# KiCad board kim-1.kicad_pcb (continued)
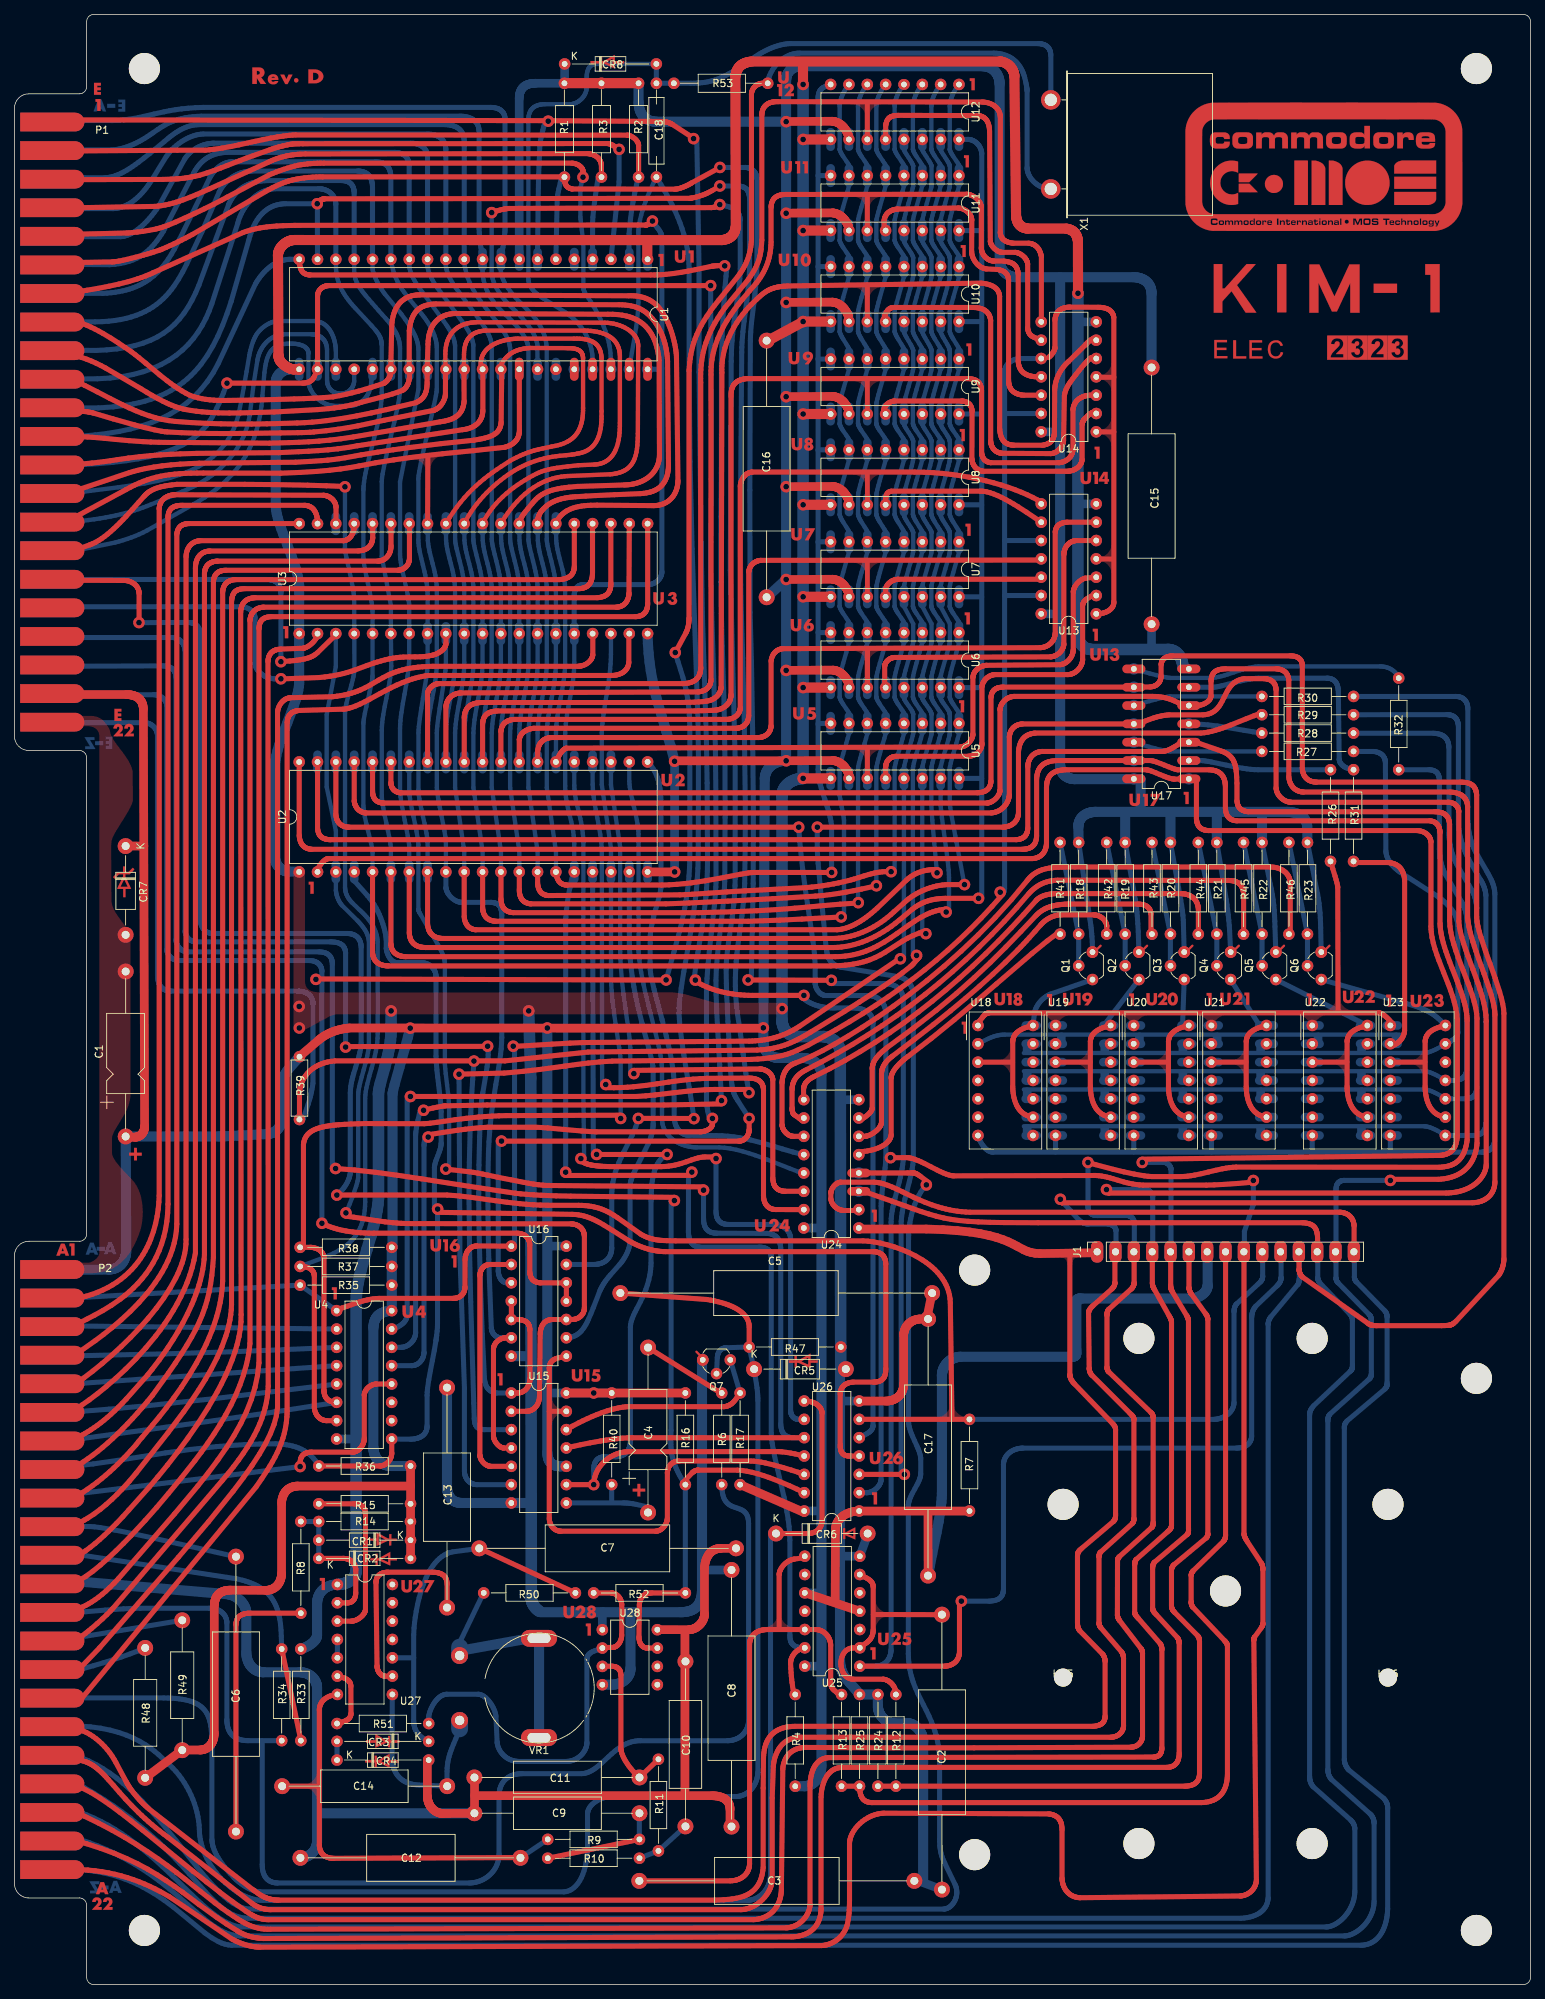
[diagram p0: board, top side]
## Copper pours and planes (outline as drawn; the poured copper is in the pictures) (continued)
Net-(U13-Pad1) on Top: 152.12,217.08 152.13,217.07 152.17,217.03 152.18,217.02 152.19,216.96 152.19,213.36 151.93,213.35 151.92,213.41 151.91,213.47 151.9,213.53 151.89,213.59 151.87,213.66 151.85,213.72 151.82,213.78 151.79,213.84 151.76,213.9 151.73,213.96 151.69,214.02 151.65,214.08 151.56,214.2 151.47,214.31 151.38,214.41 151.27,214.5 151.17,214.58 151.06,214.66 151.01,214.69 150.96,214.71 150.91,214.74 150.86,214.76 150.81,214.78 150.77,214.79 150.72,214.8 150.67,214.81 150.56,215.38 150.73,215.52 150.77,215.52 150.82,215.53 150.86,215.55 150.91,215.57 150.96,215.59 151.01,215.62 151.06,215.65 151.16,215.72 151.27,215.8 151.37,215.9 151.46,216 151.56,216.11 151.64,216.23 151.72,216.35 151.78,216.48 151.84,216.6 151.88,216.73 151.9,216.79 151.91,216.85 151.92,216.91 151.93,216.97 151.94,217.01 151.97,217.06 151.99,217.07 152.04,217.09 152.06,217.09
Net-(U13-Pad1) on Top: 152.12,224.65 152.13,224.65 152.17,224.6 152.18,224.59 152.19,224.53 152.19,220.93 151.93,220.92 151.92,220.98 151.91,221.04 151.9,221.1 151.89,221.17 151.87,221.23 151.85,221.29 151.82,221.35 151.79,221.41 151.76,221.48 151.73,221.54 151.69,221.6 151.65,221.65 151.57,221.77 151.47,221.88 151.38,221.98 151.27,222.07 151.17,222.16 151.06,222.23 151.01,222.26 150.96,222.29 150.91,222.31 150.86,222.33 150.81,222.35 150.77,222.36 150.72,222.37 150.67,222.38 150.56,222.95 150.73,223.09 150.77,223.1 150.82,223.11 150.86,223.12 150.91,223.14 150.96,223.16 151.01,223.19 151.06,223.22 151.16,223.29 151.27,223.38 151.37,223.47 151.46,223.57 151.56,223.69 151.64,223.8 151.72,223.93 151.78,224.05 151.84,224.18 151.88,224.3 151.9,224.36 151.91,224.42 151.92,224.48 151.93,224.55 151.94,224.58 151.98,224.63 151.99,224.64 152.04,224.66 152.06,224.66
Net-(U13-Pad1) on Top: 152.12,199.46 152.13,199.46 152.17,199.41 152.18,199.4 152.19,199.34 152.19,195.74 151.93,195.73 151.92,195.79 151.91,195.85 151.9,195.91 151.89,195.98 151.87,196.04 151.85,196.1 151.82,196.16 151.79,196.22 151.76,196.28 151.73,196.35 151.69,196.41 151.65,196.46 151.57,196.58 151.47,196.69 151.38,196.79 151.27,196.88 151.17,196.97 151.06,197.04 151.01,197.07 150.96,197.1 150.91,197.12 150.86,197.14 150.81,197.16 150.77,197.17 150.72,197.18 150.67,197.19 150.64,197.2 150.56,197.32 150.56,197.76 150.73,197.9 150.77,197.9 150.82,197.92 150.86,197.93 150.91,197.95 150.96,197.97 151.01,198 151.06,198.03 151.16,198.1 151.27,198.18 151.37,198.28 151.47,198.38 151.56,198.49 151.64,198.61 151.72,198.74 151.78,198.86 151.84,198.99 151.88,199.11 151.9,199.17 151.91,199.23 151.92,199.29 151.93,199.36 151.94,199.39 151.98,199.44 151.99,199.45 152.04,199.47 152.06,199.47
Net-(U13-Pad1) on Bottom: 137.4,194.4 137.42,194.4 137.46,194.36 137.47,194.35 137.49,194.29 137.5,194.23 137.51,194.17 137.52,194.11 137.54,194.05 137.58,193.92 137.64,193.8 137.71,193.67 137.78,193.55 137.87,193.43 137.96,193.32 138.06,193.21 138.16,193.12 138.26,193.04 138.36,192.96 138.41,192.94 138.46,192.91 138.51,192.89 138.56,192.87 138.61,192.85 138.65,192.84 138.7,192.83 138.74,192.83 138.87,192.7 138.86,192.25 138.82,192.15 138.75,192.12 138.7,192.12 138.66,192.11 138.61,192.09 138.56,192.08 138.51,192.06 138.46,192.03 138.41,192 138.36,191.97 138.25,191.9 138.15,191.82 138.05,191.73 137.95,191.62 137.86,191.52 137.77,191.4 137.73,191.34 137.7,191.28 137.66,191.22 137.63,191.16 137.6,191.1 137.58,191.03 137.56,190.97 137.54,190.91 137.52,190.85 137.51,190.79 137.5,190.73 137.5,190.67 137.23,190.68 137.23,194.28 137.23,194.31 137.27,194.37 137.28,194.38 137.33,194.41 137.34,194.41
Net-(U13-Pad1) on Bottom: 137.4,219.61 137.41,219.61 137.46,219.57 137.47,219.56 137.49,219.5 137.5,219.44 137.51,219.38 137.52,219.32 137.54,219.26 137.58,219.13 137.64,219.01 137.7,218.88 137.78,218.76 137.86,218.64 137.96,218.53 138.05,218.43 138.15,218.33 138.26,218.25 138.36,218.18 138.41,218.15 138.46,218.12 138.51,218.1 138.56,218.08 138.6,218.06 138.65,218.05 138.69,218.04 138.74,218.04 138.86,217.91 138.86,217.46 138.82,217.36 138.75,217.33 138.7,217.33 138.65,217.32 138.61,217.3 138.56,217.29 138.51,217.27 138.46,217.24 138.41,217.21 138.36,217.18 138.25,217.11 138.15,217.03 138.04,216.94 137.95,216.83 137.85,216.73 137.77,216.61 137.73,216.55 137.69,216.49 137.66,216.43 137.63,216.37 137.6,216.31 137.57,216.24 137.55,216.18 137.53,216.12 137.52,216.06 137.51,216 137.5,215.94 137.49,215.88 137.23,215.89 137.23,219.49 137.23,219.52 137.26,219.58 137.27,219.59 137.33,219.62 137.34,219.62
Net-(U13-Pad1) on Bottom: 137.4,202.01 137.41,202.01 137.46,201.97 137.47,201.96 137.49,201.9 137.5,201.84 137.51,201.78 137.52,201.72 137.54,201.66 137.58,201.53 137.64,201.41 137.7,201.28 137.78,201.16 137.86,201.04 137.96,200.93 138.05,200.83 138.15,200.73 138.26,200.65 138.36,200.58 138.41,200.55 138.46,200.52 138.51,200.5 138.56,200.48 138.6,200.46 138.65,200.45 138.69,200.45 138.74,200.44 138.86,200.31 138.86,199.87 138.82,199.77 138.75,199.74 138.7,199.73 138.65,199.72 138.61,199.71 138.56,199.69 138.51,199.67 138.46,199.64 138.41,199.62 138.36,199.59 138.25,199.51 138.15,199.43 138.04,199.34 137.95,199.24 137.85,199.13 137.77,199.01 137.73,198.95 137.69,198.89 137.66,198.83 137.63,198.77 137.6,198.71 137.57,198.65 137.55,198.58 137.53,198.52 137.52,198.46 137.51,198.4 137.5,198.34 137.49,198.28 137.23,198.29 137.23,201.89 137.23,201.93 137.26,201.98 137.27,201.99 137.33,202.02 137.34,202.02
Net-(U15-Pad13) on Top: 74.43,81.25 74.43,81.18 74.44,81.12 74.45,81.06 74.47,81 74.49,80.94 74.51,80.88 74.53,80.82 74.56,80.75 74.59,80.69 74.63,80.63 74.67,80.57 74.7,80.51 74.79,80.4 74.88,80.29 74.98,80.19 75.08,80.09 75.19,80.01 75.29,79.94 75.34,79.91 75.39,79.88 75.44,79.86 75.49,79.84 75.54,79.82 75.59,79.81 75.63,79.8 75.68,79.79 75.8,79.22 75.63,79.08 75.58,79.07 75.54,79.06 75.49,79.05 75.44,79.03 75.39,79 75.34,78.98 75.29,78.95 75.19,78.88 75.09,78.79 74.99,78.7 74.89,78.59 74.8,78.48 74.71,78.36 74.64,78.24 74.57,78.12 74.51,77.99 74.47,77.86 74.45,77.8 74.44,77.74 74.43,77.68 74.42,77.62 74.42,77.59 74.38,77.54 74.37,77.53 74.31,77.51 74.3,77.5 74.24,77.52 74.23,77.52 74.18,77.56 74.17,77.58 74.16,77.64 74.16,81.24
Net-(U25A-THR) on Top: 119.3,53.09 119.3,53.03 119.31,52.97 119.32,52.91 119.34,52.85 119.36,52.79 119.38,52.72 119.4,52.66 119.43,52.6 119.46,52.54 119.5,52.48 119.53,52.42 119.57,52.36 119.66,52.24 119.75,52.13 119.85,52.03 119.95,51.94 120.05,51.86 120.16,51.79 120.21,51.75 120.26,51.73 120.31,51.7 120.36,51.68 120.41,51.67 120.46,51.65 120.5,51.64 120.55,51.64 120.59,51.63 120.67,51.06 120.5,50.93 120.45,50.92 120.41,50.91 120.36,50.89 120.31,50.87 120.26,50.85 120.21,50.82 120.16,50.79 120.06,50.72 119.96,50.64 119.86,50.54 119.76,50.44 119.67,50.33 119.58,50.21 119.51,50.09 119.44,49.96 119.38,49.84 119.34,49.71 119.32,49.65 119.31,49.59 119.3,49.53 119.29,49.47 119.28,49.43 119.25,49.38 119.24,49.37 119.18,49.35 119.17,49.35 119.11,49.36 119.09,49.37 119.05,49.41 119.04,49.42 119.03,49.48 119.03,53.08
Net-(U25B-THR) on Top: 106.14,50.91 106.18,50.91 106.24,50.87 106.27,50.8 106.28,50.75 106.29,50.71 106.3,50.66 106.32,50.61 106.34,50.56 106.36,50.51 106.39,50.46 106.42,50.41 106.49,50.3 106.58,50.2 106.67,50.1 106.77,50 106.88,49.91 107,49.82 107.05,49.78 107.11,49.75 107.18,49.71 107.24,49.68 107.3,49.65 107.36,49.63 107.42,49.6 107.48,49.59 107.55,49.57 107.61,49.56 107.67,49.55 107.73,49.55 107.72,49.28 104.12,49.28 104.08,49.28 104.03,49.31 104.02,49.32 103.99,49.38 103.99,49.39 103.99,49.45 104,49.47 104.04,49.51 104.05,49.52 104.1,49.54 104.17,49.55 104.23,49.56 104.29,49.57 104.35,49.59 104.47,49.63 104.6,49.69 104.72,49.75 104.85,49.83 104.97,49.92 105.08,50.01 105.18,50.1 105.28,50.2 105.36,50.31 105.43,50.41 105.46,50.46 105.49,50.51 105.51,50.56 105.53,50.61 105.54,50.66 105.56,50.7 105.56,50.74 105.57,50.79 105.7,50.91
Net-(U27-DEM_OUT) on Top: 42.14,29.3 42.15,25.7 42.14,25.66 42.11,25.6 42.1,25.6 42.05,25.57 42.03,25.56 41.97,25.57 41.96,25.57 41.91,25.61 41.9,25.62 41.88,25.68 41.88,25.74 41.87,25.8 41.85,25.86 41.84,25.92 41.79,26.05 41.74,26.18 41.67,26.3 41.59,26.42 41.51,26.54 41.42,26.65 41.32,26.76 41.22,26.85 41.12,26.94 41.01,27.01 40.96,27.04 40.91,27.06 40.86,27.09 40.81,27.11 40.77,27.12 40.72,27.13 40.68,27.14 40.63,27.14 40.51,27.27 40.51,27.72 40.52,27.76 40.56,27.82 40.62,27.85 40.67,27.86 40.72,27.86 40.76,27.88 40.81,27.89 40.86,27.92 40.91,27.94 40.96,27.97 41.02,28 41.12,28.07 41.23,28.15 41.33,28.25 41.43,28.35 41.52,28.46 41.6,28.57 41.64,28.63 41.68,28.69 41.71,28.75 41.74,28.81 41.77,28.88 41.8,28.94 41.82,29 41.84,29.06 41.85,29.12 41.87,29.18 41.87,29.24 41.88,29.31
